# Altium PCB Thunderscope_Rev4.1.PCBDOC (part 6 of 7) (continued)
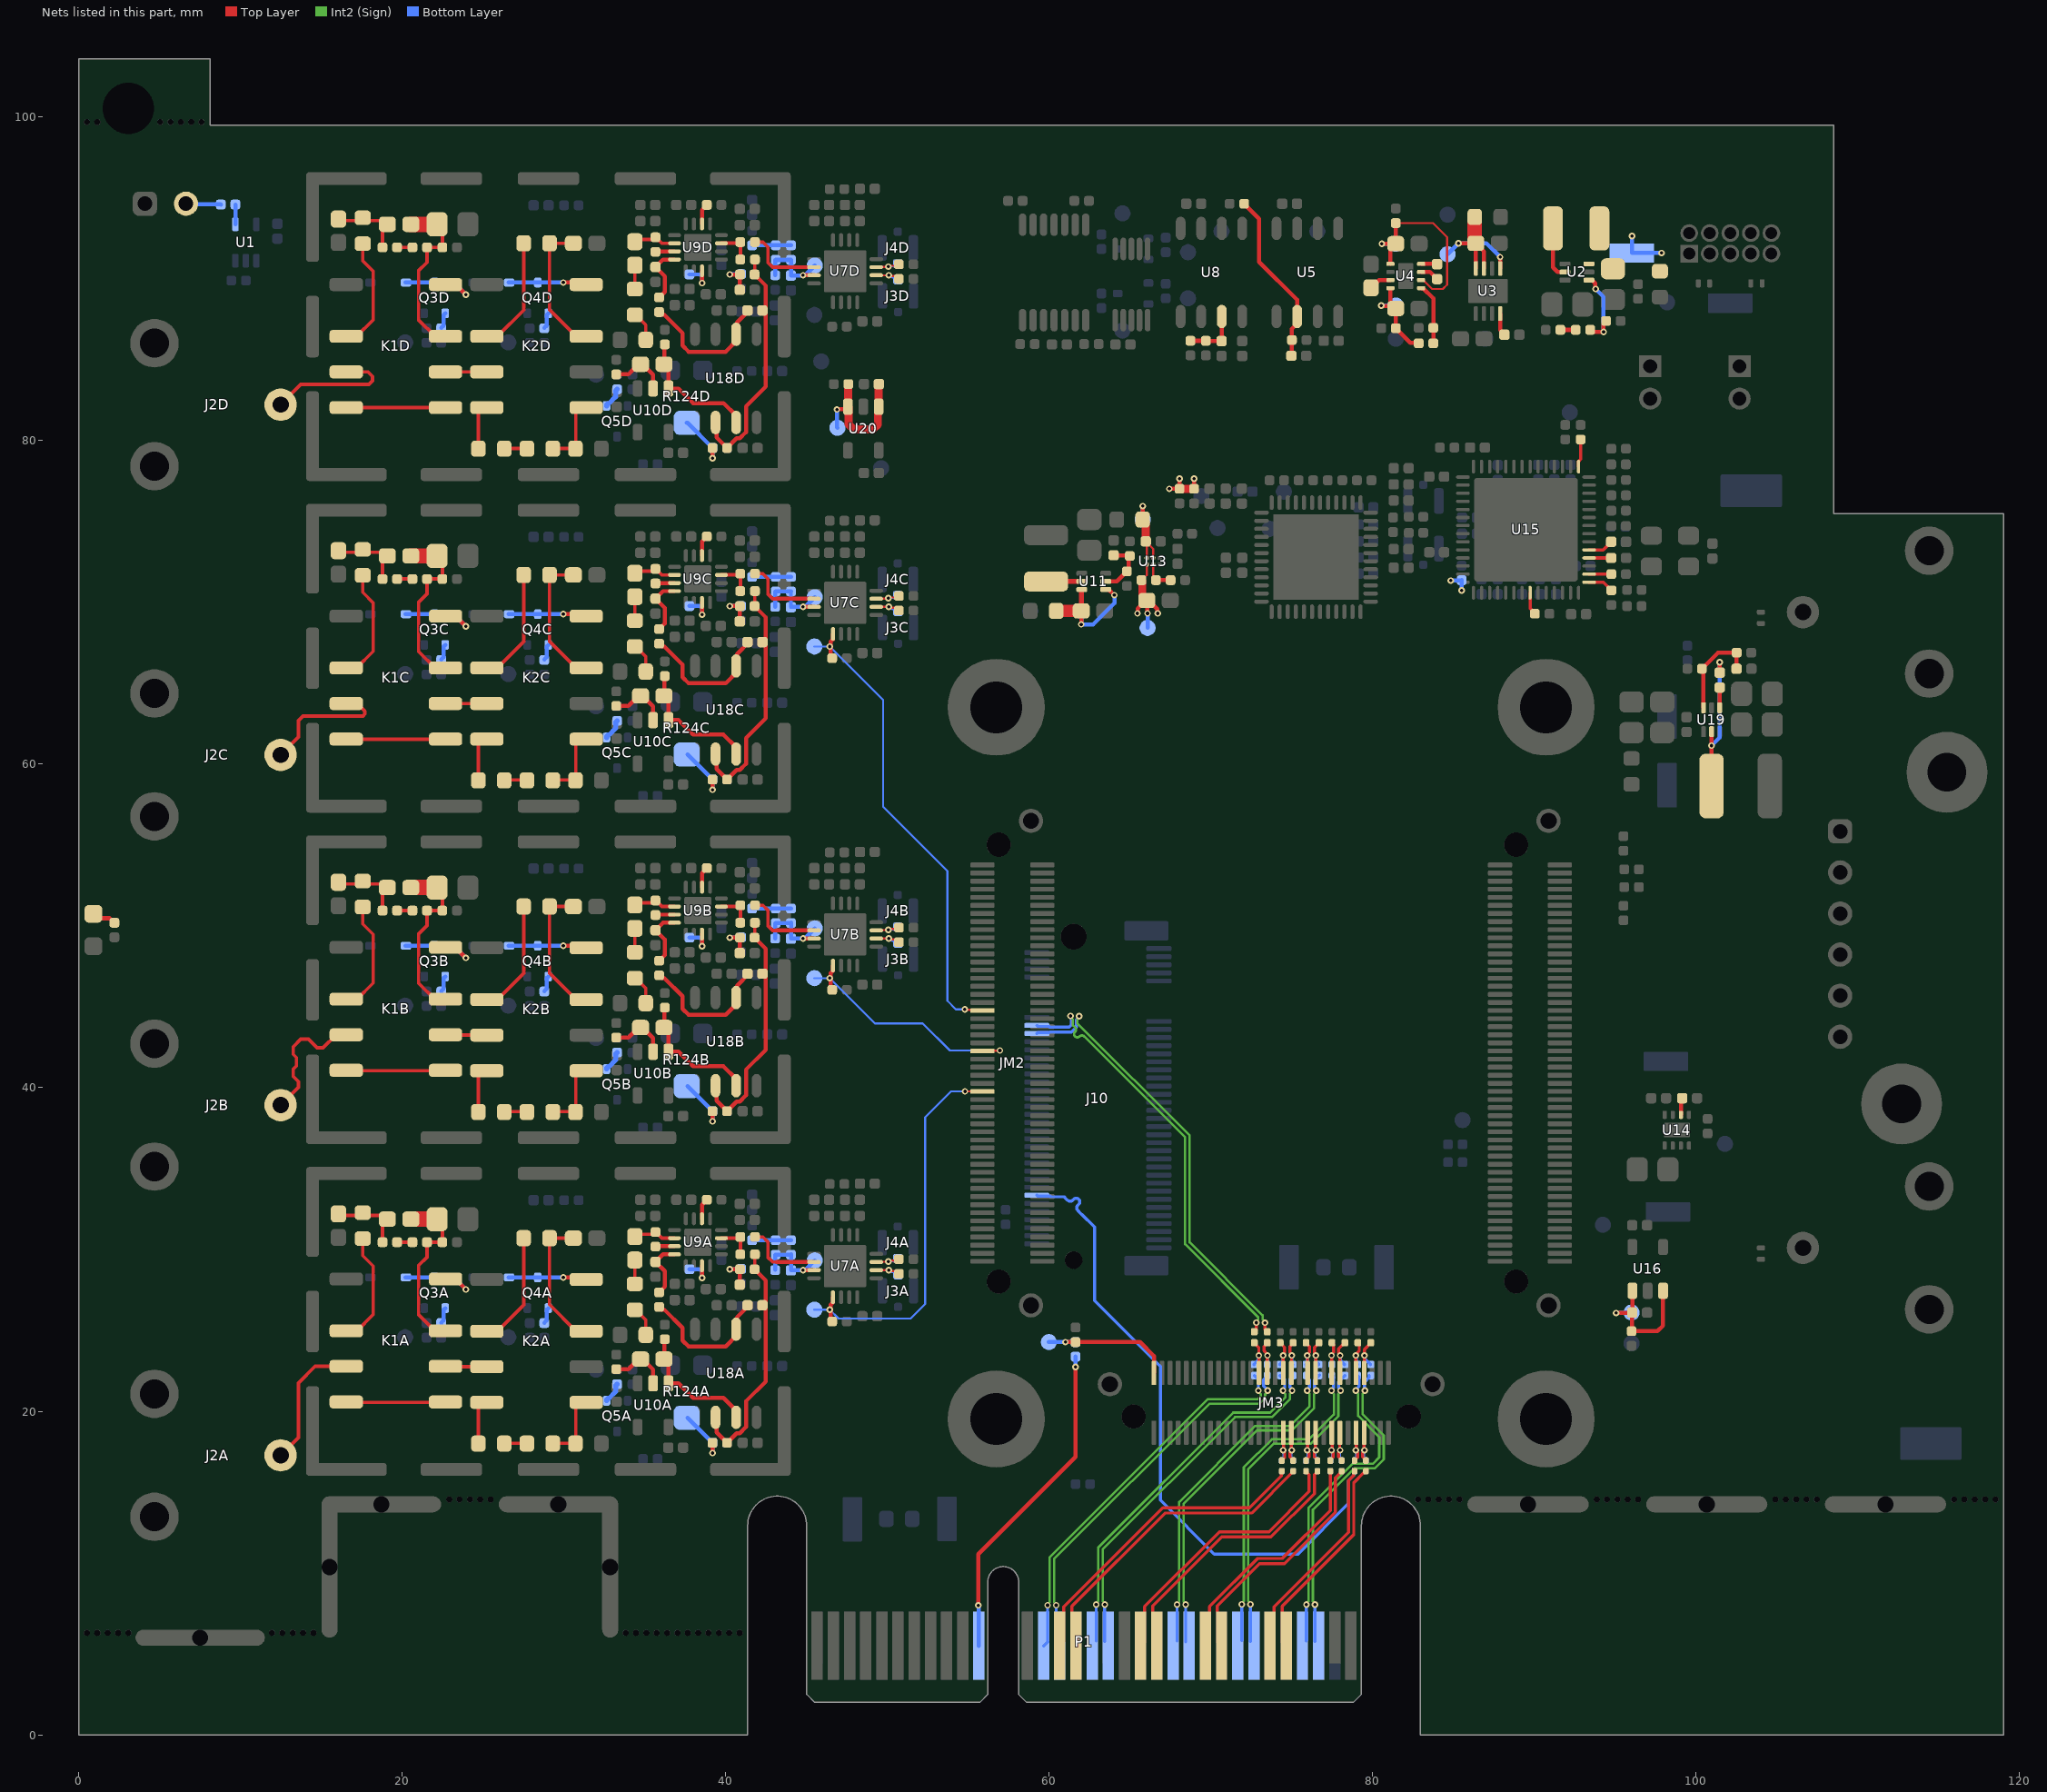
[diagram p10: the nets of this part, all layers, seen from the top]
## Nets (pads, with @x,y where several pads share a name; then routed paths per layer and width w, separated by ;. In a path a pad name is that pad's centre, name@x,y a point inside that pad or via, vN(x,y) a via of type N, cw(c..) or ccw(c..) an arc to the next point about the centre after c; other vN are vias at no path point) (continued)
  Top Layer w0.25: v1@44.761,69.725 v1(44.775,69.725) U7C.7@45.45,69.725
  Bottom Layer w0.25: R119C.2@44.025,70.7 44.025,69.735 44.03,69.73 44.77,69.73 v1(44.775,69.725) 44.805,69.755 44.93,69.755 TP25C.1@45.5,70.325
  Bottom Layer w0.254: FB7C.2@43.062,69.738 R118C.1@43.062,70.663 ; R118C.1@43.075,70.675 R119C.2@44.025,70.675
NetC31D_1: C31D.1 FB7D.2 R118D.1 R119D.2 TP25D.1 U7D.7 | length 5.3
  Top Layer w0.25: v1@44.761,90.225 v1(44.775,90.225) U7D.7@45.45,90.225
  Bottom Layer w0.254: FB7D.2@43.05,90.225 43.062,90.238 43.062,91.162 R118D.1@43.075,91.175 R119D.2@44.025,91.175 C31D.1@44.025,90.21 44.032,90.217 44.767,90.217 44.804,90.254 44.929,90.254 TP25D.1@45.5,90.825
NetC51_1: C51.1 R37.1 R39.2 U11.5 | length 3.6
  Top Layer w0.254: U11.5@63.49,71.3 64.175,71.3 64.9,72.025 64.9,72.8 R37.1@64.975,72.875 64.955,72.895 63.995,72.895 C51.1@63.975,72.915
NetC52_2: C52.2 R36.2 TP27.1 U11.3 U11.4 | length 8.3
  Top Layer w0.254: v1(61.975,68.645) C52.2@61.975,69.475 C52.2@61.992,69.492 ; U11.3@61.992,70.782 U11.3@62.01,70.8 ; U11.4@63.49,70.8 63.675,70.8 v1(64.025,70.45)
  Top Layer w0.3: C52.2@61.992,69.492 U11.3@61.992,70.782
  Top Layer w0.75: R36.2@60.425,69.475 C52.2@61.975,69.475
  Bottom Layer w0.254: TP27.1@61.975,69.475 v1(61.975,68.645) 62.72,68.645 64.025,69.95 v1(64.025,70.45)
NetC59_2: C59.2 R58.2 TP36.1 U13.A2 U13.B2 | length 5.3
  Top Layer w0.127: C59.2@65.965,73.775 C59.2@66.025,73.715 ; U13.A2@66.025,72.75 C59.2@66.025,73.715 ; U13.B2@66.425,72.75 66.425,73.315 C59.2@66.025,73.715
  Top Layer w0.254: R58.2@65.775,75.125 v1(65.775,75.955)
  Top Layer w0.5: R58.2@65.775,75.125 65.965,74.935 C59.2@65.965,73.775
  Bottom Layer w0.254: TP36.1@65.775,75.125 v1(65.775,75.955)
NetC60_2: C60.2 FB1.1 FB2.1 FB3.1 R59.2 TP37.1 U13.A1 | length 10.5
  Top Layer w0.127: R59.2@65.7,71.375 66.025,71.7 U13.A1@66.025,72.35
  Top Layer w0.254: v1(65.45,69.325) 65.465,69.34 65.465,69.628 65.962,70.125 65.975,70.125 C60.2@66.025,70.125 ; v1(66.075,69.32) 66.05,69.345 66.05,70.1 C60.2@66.025,70.125 ; v1(66.7,69.325) 66.671,69.354 66.671,69.589 66.135,70.125 C60.2@66.025,70.125 ; v1(67.42,77.025) FB2.1@68.05,77.025 v1(68.05,77.655) ; FB1.1@68.95,77.025 v1(68.95,77.655)
  Top Layer w0.5: R59.2@65.7,71.375 65.75,71.325 65.75,70.35 C60.2@65.975,70.125 ; FB2.1@68.05,77.025 FB1.1@68.95,77.025
  Bottom Layer w0.254: TP37.1@66.075,68.425 v1(66.075,69.32) ; v1(84.825,71.35) 84.837,71.362 85.487,71.362 FB3.1@85.5,71.375 v1(85.5,70.745)
NetC96_1: C96.1 U15.15 | length 1.6
  Top Layer w0.2: U15.15@93.375,71.25 94.26,71.25 C96.1@94.75,70.76
NetC97_1: C97.1 U15.16 | length 1.4
  Top Layer w0.2: U15.16@93.375,71.75 C97.1@94.74,71.75
NetC98_1: C98.1 U15.18 | length 1.4
  Top Layer w0.2: U15.18@93.375,72.75 C98.1@94.74,72.75
NetC99_1: C99.1 U15.19 | length 1.6
  Top Layer w0.2: U15.19@93.375,73.25 94.24,73.25 C99.1@94.74,73.75
NetC100_2: C100.2 R14.1 R16.2 U5.2 | length 10.9
  Top Layer w0.254: R16.2@72.05,94.65 72.975,93.725 72.975,91.05 75.32,88.705 U5.2@75.32,87.675 75.32,87.226 75,86.906 R14.1@75,86.225 74.982,86.207 74.982,85.268 C100.2@74.965,85.25
NetC105_2: C105.2 R104.2 TP30.1 U16.1 U16.3 | length 8.7
  Top Layer w0.254: v1(95.05,26.075) 95.063,26.088 96.027,26.088 C105.2@96.04,26.1 ; U16.1@96.05,27.45 96.045,27.445 96.045,26.105 C105.2@96.04,26.1 ; U16.3@97.95,27.45 97.95,25.3 97.6,24.95 R104.2@96,24.95 96.04,24.99 C105.2@96.04,26.1
  Bottom Layer w0.254: v1(95.05,26.075) 95.063,26.088 95.987,26.088 TP30.1@96,26.1
NetC117_1: C117.1 L3.1 U19.2 | length 9.4
  Top Layer w0.254: L3.1@100.95,58.65 v1(100.95,61.15) U19.2@100.95,62.01 ; C117.1@101.45,65.66 v1@101.451,66.297
  Bottom Layer w0.254: v1(100.95,61.15) 101.452,61.652 v1(101.452,66.298)
NetC117_2: C117.2 U19.4 | length 1.3
  Top Layer w0.254: U19.4@101.45,63.49 C117.2@101.45,64.74
NetC118_1: C118.1 R113.1 R114.2 U19.6 | length 6
  Top Layer w0.254: U19.6@100.45,63.49 100.427,63.513 100.427,65.823 R114.2@100.35,65.9 101.35,66.9 R113.1@102.5,66.9 102.495,66.895 102.495,65.905 C118.1@102.49,65.9
NetC125_2: C125.2 R117.2 TP52.1 U20.1 U20.3 | length 9
  Top Layer w0.254: v1(46.868,81.93) 46.897,81.959 47.409,81.959 U20.3@47.55,82.1
  Top Layer w0.5: R117.2@47.575,83.5 47.563,83.488 47.563,82.113 U20.3@47.55,82.1 47.6,82.05 47.6,80.993 47.893,80.7 49.107,80.7 49.4,80.993 49.4,82.05 49.455,82.105 49.455,83.495 C125.2@49.46,83.5
  Bottom Layer w0.254: v1(46.868,81.93) 46.884,81.914 46.884,80.816 TP52.1@46.9,80.8
NetD1_2: D1.2 R67.1 | length 1.4
  Top Layer w0.254: D1.2@0.9,50.5 0.925,50.475 1.912,50.475 2.188,50.2 R67.1@2.2,50.2
NetD2A_2: D2A.2 K1A.8 Q3A.1 | length 5.3
  Top Layer w0.254: K1A.8@23.3,28.15 v1(23.925,27.525)
  Bottom Layer w0.254: D2A.2@20.18,28.275 Q3A.1@22,28.275 22.017,28.258 22.467,28.258 ; Q3A.1@22.108,28.258 23.192,28.258 v1(23.925,27.525)
NetD2B_2: D2B.2 K1B.8 Q3B.1 | length 5.3
  Top Layer w0.254: K1B.8@23.3,48.65 v1(23.925,48.025)
  Bottom Layer w0.254: D2B.2@20.18,48.775 Q3B.1@22,48.775 22.017,48.758 22.467,48.758 ; Q3B.1@22.108,48.758 23.192,48.758 v1(23.925,48.025)
NetD2C_2: D2C.2 K1C.8 Q3C.1 | length 4.8
  Top Layer w0.254: K1C.8@23.3,69.15 v1(23.925,68.525)
  Bottom Layer w0.254: D2C.2@20.18,69.275 Q3C.1@22,69.275 Q3C.1@22.017,69.258 ; Q3C.1@22.108,69.258 23.192,69.258 v1(23.925,68.525)
NetD2D_2: D2D.2 K1D.8 Q3D.1 | length 5.6
  Top Layer w0.254: K1D.8@22.67,89.65 23.3,89.65 v1(23.925,89.025)
  Bottom Layer w0.254: D2D.2@20.18,89.775 Q3D.1@22,89.775 22.091,89.775 22.108,89.758 23.192,89.758 v1(23.925,89.025)
NetD3A_2: D3A.2 K2A.8 Q4A.1 | length 4.8
  Top Layer w0.254: v1(29.95,28.275) K2A.8@31.37,28.275
  Bottom Layer w0.254: D3A.2@26.555,28.275 Q4A.1@28.375,28.275 v1(29.95,28.275)
NetD3B_2: D3B.2 K2B.8 Q4B.1 | length 4.8
  Top Layer w0.254: v1(29.95,48.775) K2B.8@31.37,48.775
  Bottom Layer w0.254: D3B.2@26.555,48.775 Q4B.1@28.375,48.775 v1(29.95,48.775)
NetD3C_2: D3C.2 K2C.8 Q4C.1 | length 4.8
  Top Layer w0.254: v1(29.95,69.275) K2C.8@31.37,69.275
  Bottom Layer w0.254: D3C.2@26.555,69.275 Q4C.1@28.375,69.275 v1(29.95,69.275)
NetD3D_2: D3D.2 K2D.8 Q4D.1 | length 4.8
  Top Layer w0.254: v1(29.95,89.775) K2D.8@31.37,89.775
  Bottom Layer w0.254: D3D.2@26.555,89.775 Q4D.1@28.375,89.775 v1(29.95,89.775)
NetFB6A_2: FB6A.2 R118A.2 R119A.1 | length 2.4
  Bottom Layer w0.254: FB6A.2@41.625,30.575 R118A.2@43.075,30.575 R119A.1@44.025,30.575
NetFB6B_2: FB6B.2 R118B.2 R119B.1 | length 2.4
  Bottom Layer w0.254: FB6B.2@41.625,51.075 R118B.2@43.075,51.075 R119B.1@44.025,51.075
NetFB6C_2: FB6C.2 R118C.2 R119C.1 | length 2.4
  Bottom Layer w0.254: FB6C.2@41.625,71.575 R118C.2@43.075,71.575 R119C.1@44.025,71.575
NetFB6D_2: FB6D.2 R118D.2 R119D.1 | length 2.4
  Bottom Layer w0.254: FB6D.2@41.625,92.075 R118D.2@43.075,92.075 R119D.1@44.025,92.075
NetJ1_2: J1.2 R1.1 | length 2.2
  Top Layer w0.254: J1.2@6.62,94.5 J1.2@6.623,94.497
  Bottom Layer w0.254: J1.2@6.628,94.602 8.772,94.602 R1.1@8.775,94.6
NetJ2A_1: J2A.1 K1A.3 | length 8.3
  Top Layer w0.213: J2A.1@12.475,17.275 13.575,18.375 13.575,21.75 14.6,22.775 K1A.3@16.53,22.775
NetJ2B_1: J2B.1 K1B.3 | length 8.4
  Top Layer w0.213: J2B.1@12.475,38.925 13.575,40.025 13.575,40.375 13.25,40.7 13.25,41.15 13.45,41.35 13.45,41.862 13.25,42.062 13.25,42.525 13.725,43 14.203,43 14.728,42.475 15.1,42.475 15.9,43.275 K1B.3@16.53,43.275
NetJ2C_1: J2C.1 K1C.3 | length 8.4
  Top Layer w0.213: J2C.1@12.475,60.575 13.575,61.675 13.575,62.7 13.85,62.975 17.56,62.975 17.685,63.1 17.685,63.276 17.211,63.75 K1C.3@16.53,63.75
NetJ2D_1: J2D.1 K1D.3 | length 8.3
  Top Layer w0.213: J2D.1@12.475,82.225 13.725,83.475 17.925,83.475 18.15,83.7 18.15,83.975 17.875,84.25 K1D.3@16.53,84.25
NetK1A_2: K1A.2 R43A.2 | length 7.1
  Top Layer w0.213: K1A.2@16.53,24.95 17.175,24.95 18.2,25.975 18.2,28.975 17.55,29.625 R43A.2@17.55,30.675
NetK1A_4: K1A.4 K1A.5 | length 6.1
  Top Layer w0.213: K1A.4@16.53,20.55 K1A.5@22.67,20.55
NetK1A_6: K1A.6 K2A.3 | length 4.1
  Top Layer w0.213: K1A.6@22.67,22.75 K2A.3@25.225,22.75 25.043,22.568 K2A.3@24.393,22.568 ; K2A.3@25.23,22.875 K2A.3@25.86,22.875
NetK1B_2: K1B.2 R43B.2 | length 7.1
  Top Layer w0.213: K1B.2@16.53,45.45 17.175,45.45 18.2,46.475 18.2,49.475 17.55,50.125 R43B.2@17.55,51.175
NetK1B_4: K1B.4 K1B.5 | length 6.1
  Top Layer w0.213: K1B.4@16.53,41.05 K1B.5@22.67,41.05
NetK1B_6: K1B.6 K2B.3 | length 4.1
  Top Layer w0.213: K1B.6@22.67,43.25 K2B.3@25.225,43.25 25.043,43.068 K2B.3@24.393,43.068 ; K2B.3@25.23,43.375 K2B.3@25.86,43.375
NetK1C_2: K1C.2 R43C.2 | length 7.1
  Top Layer w0.213: K1C.2@16.53,65.95 17.175,65.95 18.2,66.975 18.2,69.975 17.55,70.625 R43C.2@17.55,71.675
NetK1C_4: K1C.4 K1C.5 | length 6.1
  Top Layer w0.213: K1C.4@16.53,61.55 K1C.5@22.67,61.55
NetK1C_6: K1C.6 K2C.3 | length 4.1
  Top Layer w0.213: K1C.6@22.67,63.75 K2C.3@25.225,63.75 25.043,63.568 K2C.3@24.393,63.568 ; K2C.3@25.23,63.875 K2C.3@25.86,63.875
NetK1D_2: K1D.2 R43D.2 | length 7.1
  Top Layer w0.213: K1D.2@16.53,86.45 17.175,86.45 18.2,87.475 18.2,90.475 17.55,91.125 R43D.2@17.55,92.175
NetK1D_4: K1D.4 K1D.5 | length 6.1
  Top Layer w0.213: K1D.4@16.53,82.05 K1D.5@22.67,82.05
NetK1D_6: K1D.6 K2D.3 | length 2.6
  Top Layer w0.213: K1D.6@22.67,84.25 K2D.3@25.225,84.25
NetK2A_2: K2A.2 R31A.1 | length 7.1
  Top Layer w0.213: K2A.2@25.225,24.95 25.875,24.95 27.5,26.575 R31A.1@27.5,30.7
NetK2A_4: K2A.4 R30A.1 | length 3
  Top Layer w0.213: R30A.1@24.7,18 K2A.4@24.7,20.314 ; K2A.4@24.7,20.389 24.986,20.675 K2A.4@25.23,20.675
NetK2A_5: K2A.5 R29A.2 R41A.2 | length 4.5
  Top Layer w0.213: R29A.2@29.3,18.025 R41A.2@30.7,18.025 ; R41A.2@30.725,18 K2A.5@30.725,20.314 ; K2A.5@30.725,20.389 31.011,20.675 K2A.5@31.37,20.675
NetK2B_2: K2B.2 R31B.1 | length 7.1
  Top Layer w0.213: K2B.2@25.225,45.45 25.875,45.45 27.5,47.075 R31B.1@27.5,51.2
NetK2B_4: K2B.4 R30B.1 | length 3
  Top Layer w0.213: R30B.1@24.7,38.5 K2B.4@24.7,40.814 ; K2B.4@24.7,40.889 24.986,41.175 K2B.4@25.23,41.175
NetK2B_5: K2B.5 R29B.2 R41B.2 | length 4.5
  Top Layer w0.213: R29B.2@29.3,38.525 R41B.2@30.7,38.525 ; R41B.2@30.725,38.5 K2B.5@30.725,40.814 ; K2B.5@30.725,40.889 31.011,41.175 K2B.5@31.37,41.175
NetK2C_2: K2C.2 R31C.1 | length 7.1
  Top Layer w0.213: K2C.2@25.225,65.95 25.875,65.95 27.5,67.575 R31C.1@27.5,71.7
NetK2C_4: K2C.4 R30C.1 | length 3
  Top Layer w0.213: R30C.1@24.7,59 K2C.4@24.7,61.314 ; K2C.4@24.7,61.389 24.986,61.675 K2C.4@25.23,61.675
NetK2C_5: K2C.5 R29C.2 R41C.2 | length 4.5
  Top Layer w0.213: R29C.2@29.3,59.025 R41C.2@30.7,59.025 ; R41C.2@30.725,59 K2C.5@30.725,61.314 ; K2C.5@30.725,61.389 31.011,61.675 K2C.5@31.37,61.675
NetK2D_2: K2D.2 R31D.1 | length 7.1
  Top Layer w0.213: K2D.2@25.225,86.45 25.875,86.45 27.5,88.075 R31D.1@27.5,92.2
NetK2D_4: K2D.4 R30D.1 | length 3
  Top Layer w0.213: R30D.1@24.7,79.5 K2D.4@24.7,81.814 ; K2D.4@24.7,81.889 24.986,82.175 K2D.4@25.23,82.175
NetK2D_5: K2D.5 R29D.2 R41D.2 | length 4.5
  Top Layer w0.213: R29D.2@29.3,79.525 R41D.2@30.7,79.525 ; R41D.2@30.725,79.5 K2D.5@30.725,81.814 ; K2D.5@30.725,81.889 31.011,82.175 K2D.5@31.37,82.175
NetL1_2: L1.2 U2.5 | length 3.3
  Top Layer w0.254: L1.2@91.14,93.125 91.14,90.71 91.419,90.431 91.879,90.431 U2.5@91.885,90.425
NetL2_1: L2.1 U11.2 | length 2.2
  Top Layer w0.254: L2.1@59.8,71.29 L2.1@59.805,71.295
  Top Layer w0.3: L2.1@59.81,71.3 U11.2@62.01,71.3
NetQ3A_2: Q3A.2 R47A.1 | length 1
  Bottom Layer w0.254: R47A.1@22.4,25.475 22.55,25.625 22.55,26.275 Q3A.2@22.65,26.375
NetQ3B_2: Q3B.2 R47B.1 | length 1
  Bottom Layer w0.254: R47B.1@22.4,45.975 22.55,46.125 22.55,46.775 Q3B.2@22.65,46.875
NetQ3C_2: Q3C.2 R47C.1 | length 1
  Bottom Layer w0.254: R47C.1@22.4,66.475 22.55,66.625 22.55,67.275 Q3C.2@22.65,67.375
NetQ3D_2: Q3D.2 R47D.1 | length 1
  Bottom Layer w0.254: R47D.1@22.4,86.975 22.55,87.125 22.55,87.775 Q3D.2@22.65,87.875
NetQ4A_2: Q4A.2 R48A.1 | length 1
  Bottom Layer w0.254: R48A.1@28.775,25.475 28.925,25.625 28.925,26.275 Q4A.2@29.025,26.375
NetQ4B_2: Q4B.2 R48B.1 | length 1
  Bottom Layer w0.254: R48B.1@28.775,45.975 28.925,46.125 28.925,46.775 Q4B.2@29.025,46.875
NetQ4C_2: Q4C.2 R48C.1 | length 1
  Bottom Layer w0.254: R48C.1@28.775,66.475 28.925,66.625 28.925,67.275 Q4C.2@29.025,67.375
NetQ4D_2: Q4D.2 R48D.1 | length 1
  Bottom Layer w0.254: R48D.1@28.775,86.975 28.925,87.125 28.925,87.775 Q4D.2@29.025,87.875
NetQ5A_2: Q5A.2 R126A.1 | length 1.3
  Bottom Layer w0.3: Q5A.2@32.625,20.65 32.625,20.715 32.71,20.8 32.775,20.8 33.188,21.213 33.188,21.588 R126A.1@33.275,21.675
NetQ5B_2: Q5B.2 R126B.1 | length 1.3
  Bottom Layer w0.3: Q5B.2@32.625,41.15 32.625,41.215 32.71,41.3 32.775,41.3 33.188,41.713 33.188,42.088 R126B.1@33.275,42.175
NetQ5C_2: Q5C.2 R126C.1 | length 1.3
  Bottom Layer w0.3: Q5C.2@32.625,61.65 32.625,61.715 32.71,61.8 32.775,61.8 33.188,62.213 33.188,62.588 R126C.1@33.275,62.675
NetQ5D_2: Q5D.2 R126D.1 | length 1.3
  Bottom Layer w0.3: Q5D.2@32.625,82.15 32.625,82.215 32.71,82.3 32.775,82.3 33.188,82.713 33.188,83.088 R126D.1@33.275,83.175
NetR1_2: R1.2 U1.4 | length 1.2
  Bottom Layer w0.254: U1.4@9.675,93.375 R1.2@9.675,94.6
NetR10_1: R10.1 R12.2 | length 0.9
  Top Layer w0.254: R10.1@91.6,86.85 R12.2@92.55,86.85
NetR11_1: R11.1 R13.2 U4.5 | length 3.8
  Top Layer w0.254: U4.5@82.991,89.426 83.112,89.426 83.741,88.797 R13.2@83.741,86.976 R11.1@83.741,86.026
NetR12_1: R12.1 R105.2 U2.1 | length 5.3
  Top Layer w0.254: U2.1@93.365,89.925 93.55,89.925 93.746,89.729 93.746,89.404 v1(93.775,89.375) ; R12.1@93.45,86.85 93.58,86.72 v1(94.27,86.72) 94.27,87.245 R105.2@94.425,87.4
  Bottom Layer w0.254: v1(93.775,89.375) 94.27,88.88 v1(94.27,86.72)
NetR28_1: R28.1 U15.29 | length 1.7
  Top Layer w0.2: U15.29@92.725,78.4 92.725,78.725 92.86,78.86 92.86,80.065 R28.1@92.85,80.075
NetR29A_1: R29A.1 R30A.2 | length 1.4
  Top Layer w0.213: R30A.2@26.3,18.025 R29A.1@27.7,18.025
NetR29B_1: R29B.1 R30B.2 | length 1.4
  Top Layer w0.213: R30B.2@26.3,38.525 R29B.1@27.7,38.525
NetR29C_1: R29C.1 R30C.2 | length 1.4
  Top Layer w0.213: R30C.2@26.3,59.025 R29C.1@27.7,59.025
NetR29D_1: R29D.1 R30D.2 | length 1.4
  Top Layer w0.213: R30D.2@26.3,79.525 R29D.1@27.7,79.525
NetR32A_2: R32A.2 R33A.1 | length 0.9
  Top Layer w0.213: R32A.2@19.675,30.45 R33A.1@20.625,30.45
NetR32B_2: R32B.2 R33B.1 | length 0.9
  Top Layer w0.213: R32B.2@19.675,50.95 R33B.1@20.625,50.95
NetR32C_2: R32C.2 R33C.1 | length 0.9
  Top Layer w0.213: R32C.2@19.675,71.45 R33C.1@20.625,71.45
NetR32D_2: R32D.2 R33D.1 | length 0.9
  Top Layer w0.213: R32D.2@19.675,91.95 R33D.1@20.625,91.95
NetR53A_2: R53A.2 R54A.1 | length 1.9
  Top Layer w0.213: R54A.1@34.375,26.275 34.425,26.275 35.05,25.65 R53A.2@35.05,24.725
NetR53B_2: R53B.2 R54B.1 | length 1.9
  Top Layer w0.213: R54B.1@34.375,46.775 34.425,46.775 35.05,46.15 R53B.2@35.05,45.225
NetR53C_2: R53C.2 R54C.1 | length 1.9
  Top Layer w0.213: R54C.1@34.375,67.275 34.425,67.275 35.05,66.65 R53C.2@35.05,65.725
NetR53D_2: R53D.2 R54D.1 | length 1.9
  Top Layer w0.213: R54D.1@34.375,87.775 34.425,87.775 35.05,87.15 R53D.2@35.05,86.225
NetR55A_1: R55A.1 U9A.7 | length 2
  Top Layer w0.127: U9A.7@38.525,29 U9A.7@38.528,28.997 ; v1@38.528,28.245 v1(38.53,28.242)
  Top Layer w0.25: v1@38.528,28.245 U9A.7@38.528,28.997
  Bottom Layer w0.25: R55A.1@37.75,28.775 38.384,28.775 38.53,28.629 v1(38.53,28.242)
NetR55B_1: R55B.1 U9B.7 | length 2
  Top Layer w0.127: U9B.7@38.525,49.5 U9B.7@38.528,49.497 ; v1@38.528,48.745 v1(38.53,48.742)
  Top Layer w0.25: v1@38.528,48.745 U9B.7@38.528,49.497
  Bottom Layer w0.25: R55B.1@37.75,49.275 38.384,49.275 38.53,49.129 v1(38.53,48.742)
NetR55C_1: R55C.1 U9C.7 | length 2
  Top Layer w0.127: U9C.7@38.525,70 U9C.7@38.528,69.997 ; v1@38.528,69.245 v1(38.53,69.242)
  Top Layer w0.25: v1@38.528,69.245 U9C.7@38.528,69.997
  Bottom Layer w0.25: R55C.1@37.75,69.775 38.384,69.775 38.53,69.629 v1(38.53,69.242)
NetR55D_1: R55D.1 U9D.7 | length 2
  Top Layer w0.127: U9D.7@38.525,90.5 U9D.7@38.528,90.497 ; v1@38.528,89.745 v1(38.53,89.742)
  Top Layer w0.25: v1@38.528,89.745 U9D.7@38.528,90.497
  Bottom Layer w0.25: R55D.1@37.75,90.275 38.384,90.275 38.53,90.129 v1(38.53,89.742)
NetR56A_1: R56A.1 R98A.2 U9A.11 | length 2.3
  Top Layer w0.213: U9A.11@39.725,30.7 39.732,30.707 40.832,30.707 R56A.1@40.9,30.775 R98A.2@40.9,29.7
NetR56A_2: R56A.2 U7A.6 | length 7.2
  Top Layer w0.213: R56A.2@41.8,30.775 42.3,30.775 42.6,30.475 42.6,29.525 42.9,29.225 U7A.6@45.45,29.225
  Top Layer w0.25: 44.45,29.225 U7A.6@45.45,29.225
  Top Layer w0.254: 43.125,29.225 44.45,29.225
NetR56B_1: R56B.1 R98B.2 U9B.11 | length 2.3
  Top Layer w0.213: U9B.11@39.725,51.2 39.732,51.207 40.832,51.207 R56B.1@40.9,51.275 R98B.2@40.9,50.2
NetR56B_2: R56B.2 U7B.6 | length 7.2
  Top Layer w0.213: R56B.2@41.8,51.275 42.3,51.275 42.6,50.975 42.6,50.025 42.9,49.725 U7B.6@45.45,49.725
  Top Layer w0.25: 44.45,49.725 U7B.6@45.45,49.725
  Top Layer w0.254: 43.125,49.725 44.45,49.725
NetR56C_1: R56C.1 R98C.2 U9C.11 | length 2.3
  Top Layer w0.213: U9C.11@39.725,71.7 39.732,71.707 40.832,71.707 R56C.1@40.9,71.775 R98C.2@40.9,70.7
NetR56C_2: R56C.2 U7C.6 | length 7.2
  Top Layer w0.213: R56C.2@41.8,71.775 42.3,71.775 42.6,71.475 42.6,70.525 42.9,70.225 U7C.6@45.45,70.225
  Top Layer w0.25: 44.45,70.225 U7C.6@45.45,70.225
  Top Layer w0.254: 43.125,70.225 44.45,70.225
NetR56D_1: R56D.1 R98D.2 U9D.11 | length 2.3
  Top Layer w0.213: U9D.11@39.725,92.2 39.732,92.207 40.832,92.207 R56D.1@40.9,92.275 R98D.2@40.9,91.2
NetR56D_2: R56D.2 U7D.6 | length 4.8
  Top Layer w0.213: R56D.2@41.8,92.275 42.3,92.275 42.6,91.975 42.6,91.025 42.9,90.725 U7D.6@45.45,90.725
NetR59_1: R59.1 R61.2 U13.B1 | length 1.9
  Top Layer w0.127: U13.B1@66.425,72.35 66.425,71.55 R59.1@66.6,71.375
  Top Layer w0.254: R59.1@66.6,71.375 R61.2@67.5,71.375
NetR65A_1: R65A.1 U9A.3 | length 1.2
  Top Layer w0.25: R65A.1@35.65,30.175 35.675,30.2 U9A.3@36.825,30.2
NetR65B_1: R65B.1 U9B.3 | length 1.2
  Top Layer w0.25: R65B.1@35.65,50.675 35.675,50.7 U9B.3@36.825,50.7
NetR65C_1: R65C.1 U9C.3 | length 1.2
  Top Layer w0.25: R65C.1@35.65,71.175 35.675,71.2 U9C.3@36.825,71.2
NetR65D_1: R65D.1 U9D.3 | length 1.2
  Top Layer w0.25: R65D.1@35.65,91.675 35.675,91.7 U9D.3@36.825,91.7
NetR88_1: R88.1 U15.8 | length 1.4
  Top Layer w0.2: U15.8@89.725,70.6 89.725,69.647 90.025,69.347 R88.1@90.025,69.3
NetR120A_2: R120A.2 U9A.14 | length 1.3
  Top Layer w0.254: U9A.14@38.525,31.9 38.525,32.763 38.825,33.063 R120A.2@38.825,33.075
NetR120B_2: R120B.2 U9B.14 | length 1.3
  Top Layer w0.254: U9B.14@38.525,52.4 38.525,53.263 38.825,53.563 R120B.2@38.825,53.575
NetR120C_2: R120C.2 U9C.14 | length 1.3
  Top Layer w0.254: U9C.14@38.525,72.9 38.525,73.763 38.825,74.063 R120C.2@38.825,74.075
NetR120D_2: R120D.2 U9D.14 | length 1.3
  Top Layer w0.254: U9D.14@38.525,93.4 38.525,94.263 38.825,94.563 R120D.2@38.825,94.575
NetR121A_1: R121A.1 R123A.2 R124A.2 | length 3.5
  Top Layer w0.254: v1(39.175,17.42) R121A.1@39.175,18.05
  Bottom Layer w0.254: R124A.2@37.625,19.6 R123A.2@39.175,18.05 v1(39.175,17.42)
NetR121B_1: R121B.1 R123B.2 R124B.2 | length 3.5
  Top Layer w0.254: v1(39.175,37.92) R121B.1@39.175,38.55
  Bottom Layer w0.254: R124B.2@37.625,40.1 R123B.2@39.175,38.55 v1(39.175,37.92)
NetR121C_1: R121C.1 R123C.2 R124C.2 | length 3.5
  Top Layer w0.254: v1(39.175,58.42) R121C.1@39.175,59.05
  Bottom Layer w0.254: R124C.2@37.625,60.6 R123C.2@39.175,59.05 v1(39.175,58.42)
NetR121D_1: R121D.1 R123D.2 R124D.2 | length 3.5
  Top Layer w0.254: v1(39.175,78.92) R121D.1@39.175,79.55
  Bottom Layer w0.254: R124D.2@37.575,81.1 37.625,81.1 R123D.2@39.175,79.55 v1(39.175,78.92)
OUT_RA_N: J3A.1 R97A.1 U7A.14 | length 1.7
  Top Layer w0.127: U7A.14@49.353,28.725 v1(50.075,28.725) 50.128,28.672 R97A.1@50.528,28.672 ; R97A.1@50.536,28.664 R97A.1@50.586,28.614
  Bottom Layer w0.127: v1(50.075,28.725) 50.151,28.725 50.285,28.591 J3A.1@50.484,28.591
OUT_RA_P: J4A.1 R52A.1 U7A.15 | length 1.8
  Top Layer w0.127: U7A.15@49.3,29.225 49.317,29.241 50.038,29.241 50.108,29.311 R52A.1@50.611,29.311 ; R52A.1@50.503,29.303 R52A.1@50.553,29.253
  Bottom Layer w0.127: v1(50.055,29.258) 50.072,29.275 J4A.1@50.465,29.275
OUT_RB_N: J3B.1 R97B.1 U7B.14 | length 1.7
  Top Layer w0.127: U7B.14@49.353,49.225 v1(50.075,49.225) 50.128,49.172 R97B.1@50.528,49.172 ; R97B.1@50.561,49.139 R97B.1@50.586,49.114
  Bottom Layer w0.127: v1(50.075,49.225) 50.151,49.225 50.285,49.091 J3B.1@50.484,49.091
OUT_RB_P: J4B.1 R52B.1 U7B.15 | length 1.8
  Top Layer w0.127: U7B.15@49.3,49.725 49.317,49.741 50.038,49.741 50.108,49.811 R52B.1@50.611,49.811 ; R52B.1@50.528,49.778 R52B.1@50.553,49.753
  Bottom Layer w0.127: v1(50.055,49.758) 50.072,49.775 J4B.1@50.465,49.775
OUT_RC_N: J3C.1 R97C.1 U7C.14 | length 1.7
  Top Layer w0.127: U7C.14@49.353,69.725 v1(50.075,69.725) 50.128,69.672 R97C.1@50.528,69.672 ; R97C.1@50.561,69.639 R97C.1@50.586,69.614
  Bottom Layer w0.127: v1(50.075,69.725) 50.151,69.725 50.285,69.591 J3C.1@50.484,69.591
OUT_RC_P: J4C.1 R52C.1 U7C.15 | length 1.8
  Top Layer w0.127: U7C.15@49.3,70.225 49.317,70.242 50.038,70.242 50.108,70.311 R52C.1@50.611,70.311 ; R52C.1@50.528,70.278 R52C.1@50.553,70.253
  Bottom Layer w0.127: v1(50.055,70.258) 50.072,70.275 J4C.1@50.465,70.275
OUT_RD_N: J3D.1 R97D.1 U7D.14 | length 2.1
  Top Layer w0.127: U7D.14@49.353,90.225 v1(50.075,90.225) 50.128,90.172 50.528,90.172 R97D.1@50.7,90
  Bottom Layer w0.127: v1(50.075,90.225) 50.151,90.225 50.285,90.091 50.484,90.091 J3D.1@50.65,89.925
OUT_RD_P: J4D.1 R52D.1 U7D.15 | length 2.1
  Top Layer w0.127: U7D.15@49.3,90.725 49.317,90.742 50.038,90.742 50.108,90.811 50.611,90.811 R52D.1@50.7,90.9
  Bottom Layer w0.127: v1(50.055,90.758) 50.072,90.775 50.465,90.775 J4D.1@50.631,90.941
PCIe_PER0_N: C74.1 P1.A17 | length 22.7
  Int2 (Sign) w0.148: v1@63.429,8.124 63.3,8.253 63.3,11.45 71.491,19.641 73.773,19.641 74.868,20.736 74.868,21.062 75.011,21.205 v1(75.011,21.275)
  Bottom Layer w0.191: P1.A17@63.429,5.765 v1(63.429,8.054) ; C74.1@74.975,22.21 74.975,22.085 74.875,21.985 74.875,21.469 75.011,21.333 v1(75.011,21.275)
PCIe_PER0_P: C75.1 P1.A16 | length 22.8
  Int2 (Sign) w0.148: v1@62.896,8.124 63.025,8.253 63.025,11.564 71.377,19.916 73.659,19.916 74.593,20.85 74.593,21.062 74.45,21.205 v1(74.45,21.275)
  Bottom Layer w0.191: P1.A16@62.896,5.808 v1(62.896,8.054) ; C75.1@74.265,22.195 74.378,22.081 74.44,22.081 74.557,21.964 74.557,21.441 74.45,21.333 v1(74.45,21.275)
PCIe_PER1_N: C70.1 P1.A22 | length 21.3
  Int2 (Sign) w0.148: 68.3,8.242 68.3,14.275 72.843,18.818 74.993,18.818 76.368,20.193 76.368,21.062 76.511,21.205 v1(76.511,21.275) ; 68.3,8.243 v1@68.429,8.113
  Bottom Layer w0.191: P1.A22@68.429,5.755 v1(68.429,8.043) ; v1(76.511,21.275) 76.511,21.333 76.401,21.443 76.401,21.936 76.546,22.081 76.561,22.081 76.716,22.236 C70.1@76.716,22.251
PCIe_PER1_P: C71.1 P1.A21 | length 21.1
  Int2 (Sign) w0.148: v1@67.896,8.113 68.025,8.242 68.025,14.389 72.73,19.093 74.88,19.093 76.093,20.307 76.093,21.062 75.95,21.205 v1(75.95,21.275)
  Bottom Layer w0.191: P1.A21@67.896,5.797 v1(67.896,8.043) ; C71.1@75.94,22.081 75.978,22.081 75.984,22.076 75.984,22.037 76.083,21.938 76.083,21.466 75.95,21.333 v1(75.95,21.275)
PCIe_PER2_N: C66.1 P1.A26 | length 20.3
  Int2 (Sign) w0.148: v1@72.429,8.135 72.3,8.264 72.3,16.425 73.871,17.996 76.171,17.996 77.868,19.693 77.868,21.062 78.011,21.205 v1(78.011,21.275)
  Bottom Layer w0.191: P1.A26@72.429,5.776 v1(72.429,8.065) ; v1(78.011,21.275) 78.011,21.333 77.889,21.455 77.889,21.819 78.152,22.081 78.161,22.081 78.275,22.195 C66.1@78.275,22.21
PCIe_PER2_P: C67.1 P1.A25 | length 20.2
  Int2 (Sign) w0.148: v1@71.896,8.135 72.025,8.264 72.025,16.539 73.757,18.27 76.057,18.27 77.593,19.807 77.593,21.062 77.45,21.205 v1(77.45,21.275)
  Bottom Layer w0.191: P1.A25@71.896,5.819 v1(71.896,8.065) ; v1(77.45,21.275) 77.45,21.333 77.572,21.455 77.572,22.113 C67.1@77.475,22.21
PCIe_PER3_N: C62.1 P1.A30 | length 19.7
  Int2 (Sign) w0.148: v1@76.429,8.121 76.3,8.25 76.3,11.113 76.3,13.911 78.864,16.475 80.114,16.475 80.675,17.036 80.675,18.514 79.368,19.821 79.368,21.062 79.511,21.205 v1(79.511,21.275)
  Bottom Layer w0.191: P1.A30@76.429,5.762 v1(76.429,8.051) ; v1(79.511,21.275) 79.474,21.312 79.474,21.794 79.775,22.095 C62.1@79.775,22.21
PCIe_PER3_P: C15.1 P1.A29 | length 19.7
  Int2 (Sign) w0.148: v1@75.896,8.121 76.025,8.25 76.025,10.999 76.025,14.025 78.75,16.75 80,16.75 80.4,17.15 80.4,18.4 79.093,19.707 79.093,21.062 78.95,21.205 v1(78.95,21.275)
  Bottom Layer w0.191: P1.A29@75.896,5.805 v1(75.896,8.051) ; v1(78.95,21.275) 78.95,21.333 79.157,21.54 79.157,22.128 C15.1@79.075,22.21
PCIe_PERST#: P1.A11 R84.2 | length 20.4
  Top Layer w0.254: v1(55.616,8) 55.616,11.166 61.625,17.175 v1(61.625,22.745)
  Bottom Layer w0.254: v1(55.616,8) 55.633,7.983 55.633,5.517 P1.A11@55.65,5.5 ; v1(61.625,22.745) R84.2@61.625,23.375
PCIe_PET0_N: P1.B15 R80.2 | length 19.7
  Top Layer w0.191: P1.B15@61.65,5.5 61.4,5.75 61.4,7.95 67.157,13.707 72.507,13.707 75.075,16.275 R80.2@75.075,16.3
PCIe_PET0_P: P1.B14 R81.2 | length 19.6
  Top Layer w0.191: P1.B14@60.65,5.5 60.9,5.75 60.9,7.899 67.026,14.025 72.376,14.025 74.342,15.991 74.342,16.267 R81.2@74.375,16.3
PCIe_PET1_N: P1.B20 R76.2 | length 16.9
  Top Layer w0.191: P1.B20@66.65,5.5 66.4,5.75 66.4,7.975 70.657,12.232 73.707,12.232 76.384,14.909 76.384,16.084 76.575,16.275 R76.2@76.575,16.3
PCIe_PET1_P: P1.B19 R77.2 | length 17
  Top Layer w0.191: P1.B19@65.65,5.5 65.9,5.75 65.9,7.924 70.526,12.55 73.576,12.55 76.066,15.041 76.066,16.084 75.875,16.275 R77.2@75.875,16.3
PCIe_PET2_N: P1.B24 R72.2 | length 15
  Top Layer w0.191: P1.B24@70.65,5.5 70.395,5.755 70.395,7.614 70.393,7.616 70.393,7.968 73.007,10.582 74.532,10.582 77.693,13.743 77.693,15.893 77.995,16.195 77.995,16.22 R72.2@78.075,16.3
PCIe_PET2_P: P1.B23 R73.2 | length 15
  Top Layer w0.191: P1.B23@69.9,5.249 69.9,7.924 72.876,10.9 74.401,10.9 77.375,13.874 R73.2@77.375,16.3
PCIe_PET3_N: P1.B28 R68.2 | length 13.1
  Top Layer w0.191: P1.B28@74.65,5.5 74.4,5.75 74.4,7.95 78.824,12.374 78.824,15.588 79.431,16.195 79.495,16.195 79.575,16.275 R68.2@79.575,16.3
PCIe_PET3_P: P1.B27 R69.2 | length 13
  Top Layer w0.191: P1.B27@73.905,5.316 73.905,7.904 78.506,12.505 78.506,15.72 78.807,16.021 78.807,16.232 R69.2@78.875,16.3
PCIe_REFCLK_N: C40.1 P1.A14 | length 24.3
  Int2 (Sign) w0.148: v1(60.429,8.009) 60.429,8.079 60.3,8.209 60.3,9.567 60.3,10.861 69.903,20.464 72.989,20.464 73.347,20.822 73.347,21.052 73.5,21.205 v1(73.5,21.275)
  Bottom Layer w0.191: v1(60.429,8.009) 60.429,5.721 P1.A14@60.65,5.5 ; C40.1@73.475,22.21 73.475,22.185 73.243,21.953 73.243,21.57 73.5,21.312 v1(73.5,21.275)
PCIe_REFCLK_P: C79.1 P1.A13 | length 24.3
  Int2 (Sign) w0.148: v1(59.896,8.009) 59.896,8.079 60.025,8.208 60.025,9.453 60.025,10.975 69.789,20.739 72.875,20.739 73.072,20.936 73.072,21.058 72.925,21.205 v1(72.925,21.275)
  Bottom Layer w0.191: P1.A13@59.65,5.5 59.905,5.755 59.896,5.763 v1(59.896,8.009) ; C79.1@72.675,22.21 72.675,22.195 72.789,22.081 72.798,22.081 72.925,21.955 v1(72.925,21.275)
PERST#: JM3.60 R84.1 R85.1 TP39.1 | length 8.5
  Top Layer w0.254: v1(60.995,24.275) R85.1@61.625,24.275 65.6,24.275 66.468,23.407 JM3.60@66.468,22.372
  Bottom Layer w0.254: TP39.1@59.975,24.275 v1(60.995,24.275) R84.1@61.625,24.275
PGA_CSn_1: JM2.43 R51A.1 TP24A.1 U7A.9 | length 24.8
  Top Layer w0.127: v1@54.789,39.773 JM2.43@55.831,39.773
  Top Layer w0.25: v1(46.425,26.275) 46.488,26.212 46.488,25.662 R51A.1@46.6,25.55 ; v1@46.442,26.275 46.488,26.321 46.488,26.58 46.625,26.717 U7A.9@46.625,27.05
  Bottom Layer w0.127: TP24A.1@45.475,26.275 v1(46.425,26.275) 46.975,25.725 51.425,25.725 52.325,26.625 52.325,38.175 53.925,39.775 v1(54.787,39.775)
PGA_CSn_2: JM2.53 R51B.1 TP24B.1 U7B.9 | length 16
  Top Layer w0.127: JM2.53@55.877,42.285 v1@56.933,42.285
  Top Layer w0.25: v1(46.425,46.775) 46.488,46.712 46.488,46.162 R51B.1@46.6,46.05 ; v1@46.442,46.775 46.488,46.821 46.488,47.08 46.625,47.217 U7B.9@46.625,47.55
  Bottom Layer w0.127: TP24B.1@45.475,46.775 v1(46.425,46.775) 49.225,43.975 52.175,43.975 53.85,42.3 v1(56.947,42.3)
PGA_CSn_3: JM2.63 R51C.1 TP24C.1 U7C.9 | length 29.9
  Top Layer w0.127: v1(54.775,44.85) 54.815,44.81 55.794,44.81 JM2.63@55.831,44.773
  Top Layer w0.25: v1(46.425,67.275) 46.488,67.212 46.488,66.662 R51C.1@46.6,66.55 ; v1@46.442,67.275 46.488,67.321 46.488,67.58 46.625,67.717 U7C.9@46.625,68.05
  Bottom Layer w0.127: TP24C.1@45.475,67.275 v1(46.425,67.275) 49.725,63.975 49.725,57.375 53.7,53.4 53.7,45.375 54.225,44.85 v1(54.775,44.85)